# Altium PCB Graviton_11JAN15.PcbDoc (part 7 of 11) (continued)
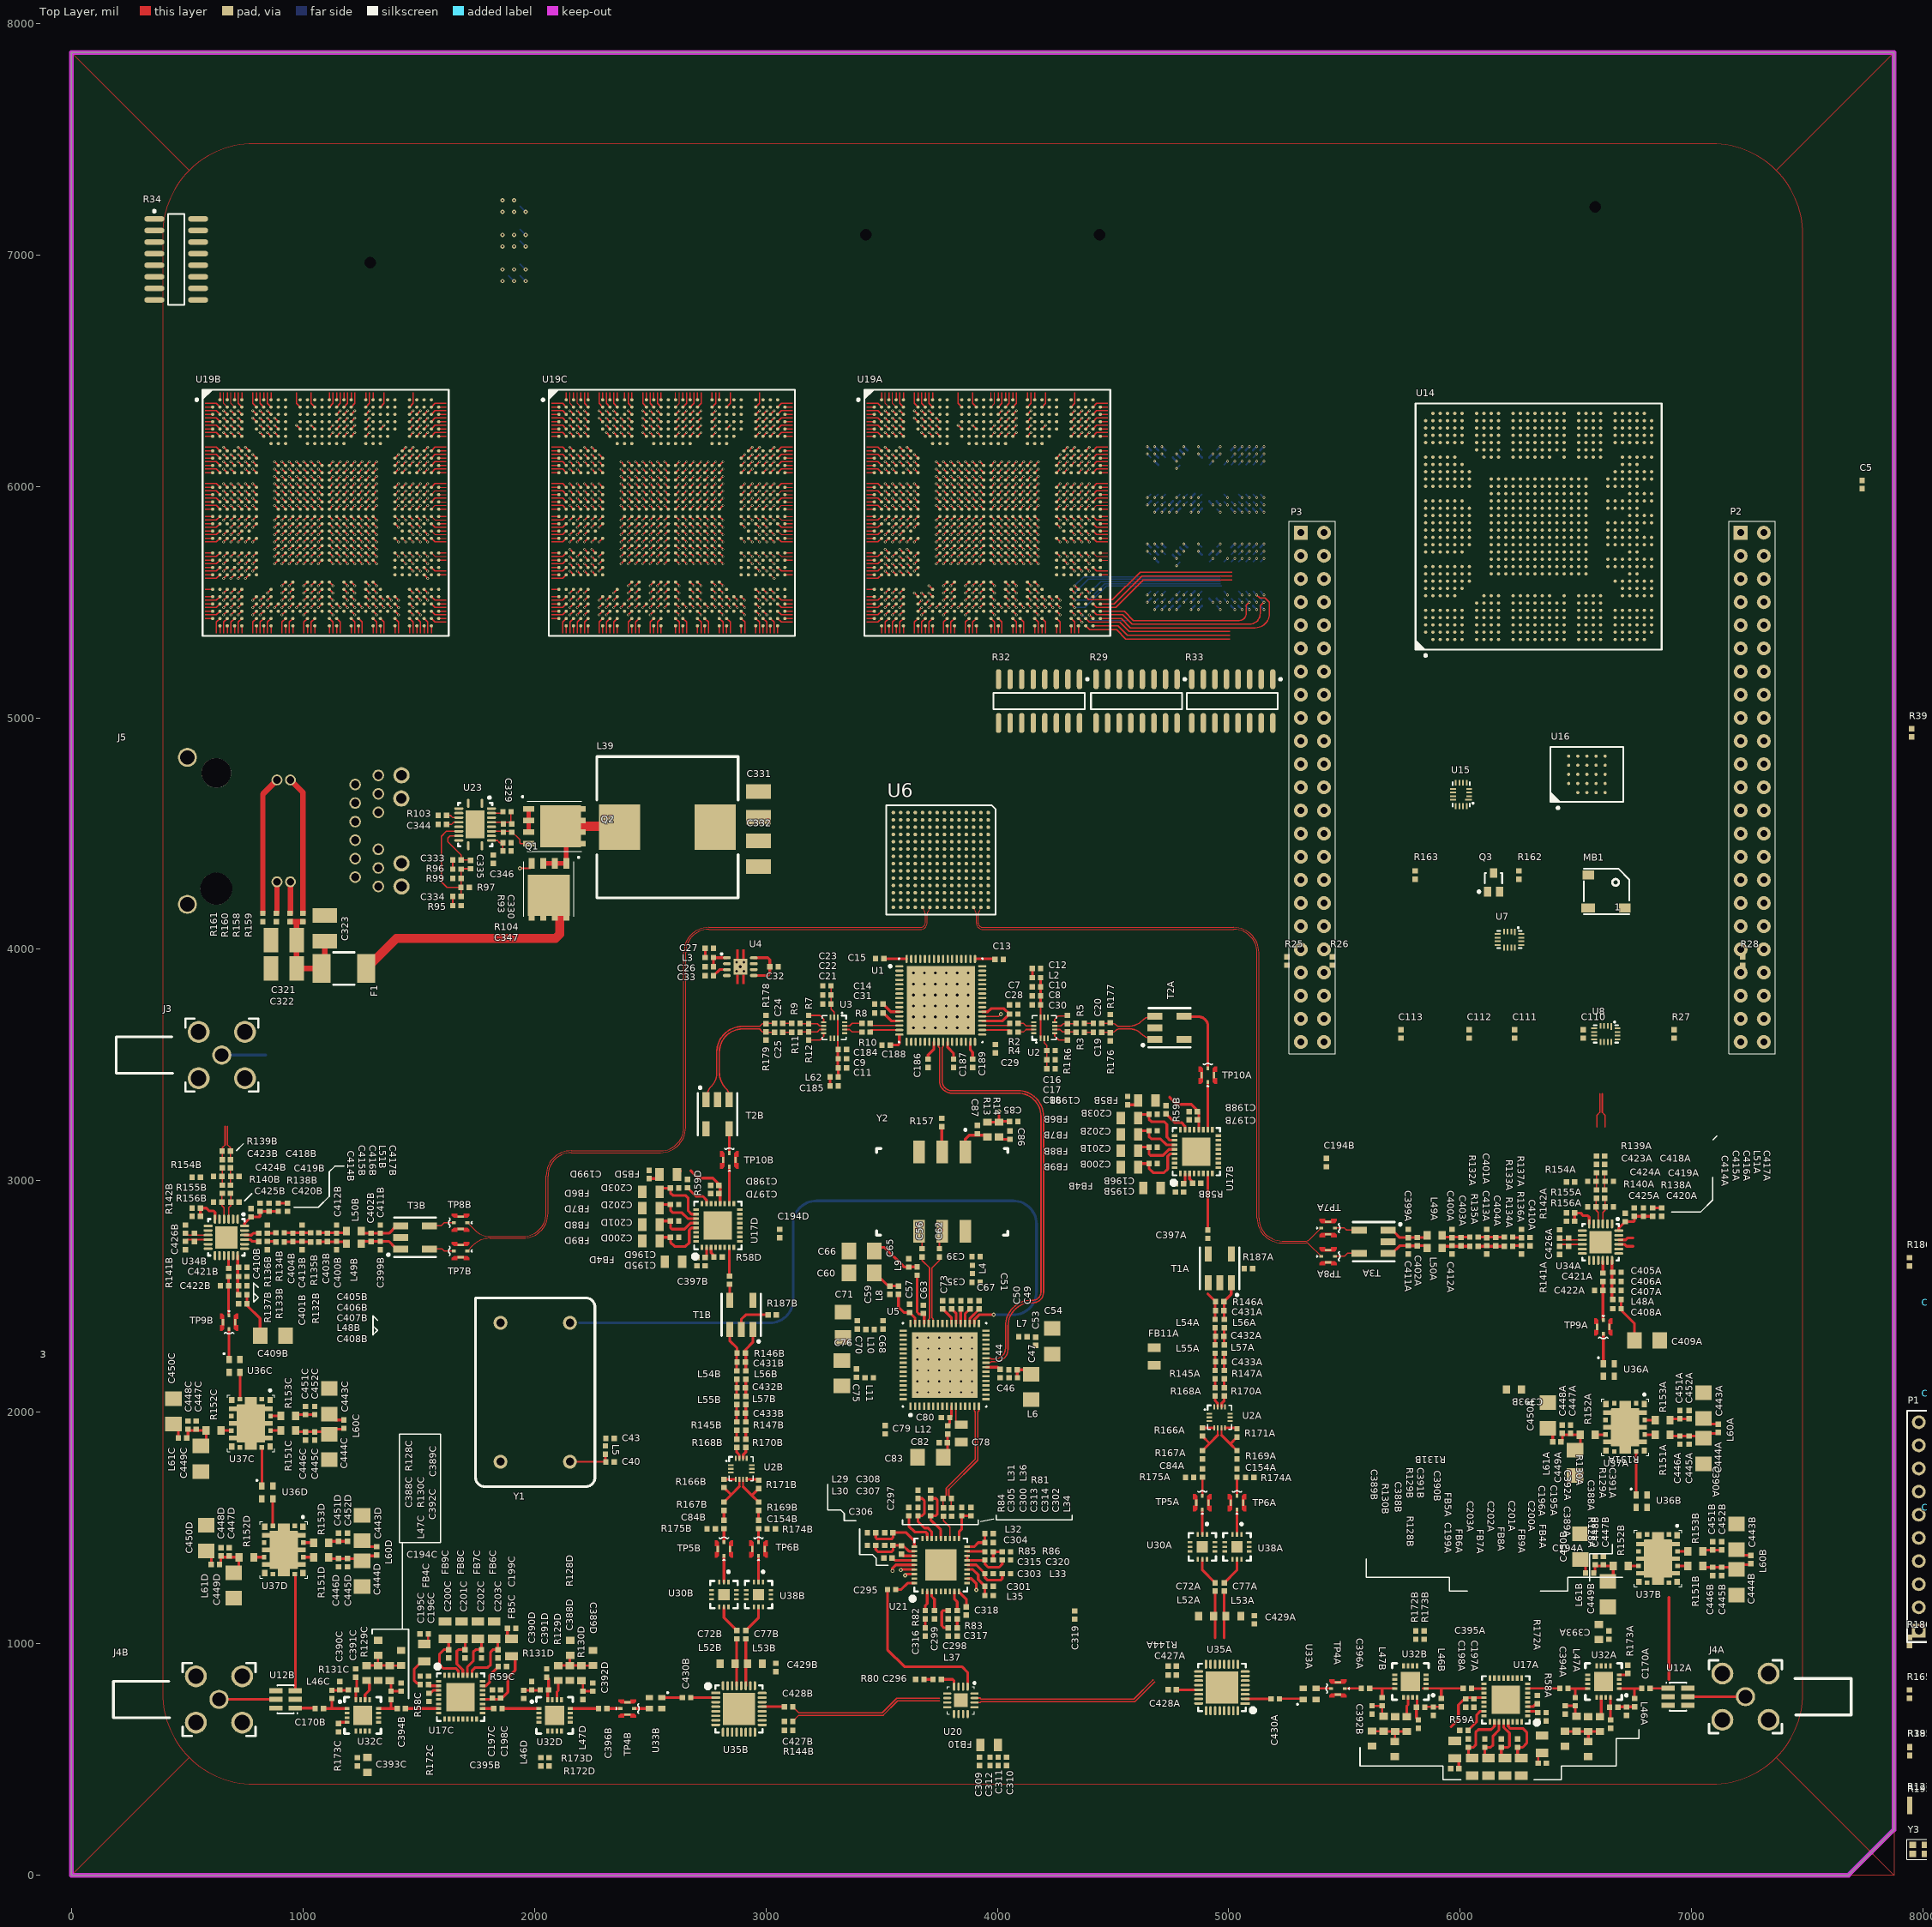
[diagram p0: Top Layer view]
## Nets (pads, with @x,y where several pads share a name; then routed paths per layer and width w, separated by ;. In a path a pad name is that pad's centre, name@x,y a point inside that pad or via, vN(x,y) a via of type N, cw(c..) or ccw(c..) an arc to the next point about the centre after c; other vN are vias at no path point) (continued)
U19A.AH8@3688.98,5523.62 ; U19A.AJ8@3688.98,5492.13 v1(3704.72,5507.87) ; v1(3704.72,5476.38) U19A.AJ9@3720.47,5492.13 ; v1(3704.72,5539.37) U19A.AH9@3720.47,5523.62 ; v1(3704.72,5570.87) U19A.AG9@3720.47,5555.12 ; v1(3704.72,6263.78) U19A.E9@3720.47,6248.03 ; v1(3736.22,5476.38) U19A.AJ10@3751.97,5492.13 ; v1(3736.22,6074.8) U19A.L10@3751.97,6059.06 ; v1(3736.22,6106.3) U19A.K10@3751.97,6090.55 ; v1(3767.72,5444.88) U19A.AK11@3783.46,5460.63 ; v1(3767.72,5476.38) U19A.AJ11@3783.46,5492.13 ; v1(3767.72,5507.87) U19A.AH11@3783.46,5523.62 ; v1(3767.72,5539.37) U19A.AG11@3783.46,5555.12 ; v1(3767.72,5570.87) U19A.AF11@3783.46,5586.61 ; v1(3767.72,5696.85) U19A.AB11@3783.46,5712.6 ; v1(3767.72,5728.35) U19A.AA11@3783.46,5744.09 ; v1(3767.72,5759.84) U19A.Y11@3783.46,5775.59 ; v1(3767.72,5791.34) U19A.W11@3783.46,5807.09 ; v1(3767.72,5822.83) U19A.V11@3783.46,5838.58 ; v1(3767.72,5854.33) U19A.U11@3783.46,5870.08 ; v1(3767.72,5917.32) U19A.T11@3783.46,5901.57 ; v1(3767.72,5948.82) U19A.R11@3783.46,5933.07 ; v1(3767.72,5980.32) U19A.P11@3783.46,5964.57 ; v1(3767.72,6011.81) U19A.N11@3783.46,5996.06 ; v1(3767.72,6043.31) U19A.M11@3783.46,6027.56 ; v1(3767.72,6074.8) U19A.L11@3783.46,6059.06 ; v1(3767.72,6106.3) U19A.K11@3783.46,6090.55 ; v1(3799.21,5476.38) U19A.AJ12@3814.96,5492.13 ; v1(3799.21,5507.87) U19A.AH12@3814.96,5523.62 ; v1(3799.21,5539.37) U19A.AG12@3814.96,5555.12 ; v1(3799.21,5570.87) U19A.AF12@3814.96,5586.61 ; v1(3799.21,5665.35) U19A.AC12@3814.96,5681.1 ; v1(3799.21,5696.85) U19A.AB12@3814.96,5712.6 ; v1(3799.21,6074.8) U19A.L12@3814.96,6059.06 ; v1(3830.71,5476.38) U19A.AJ13@3846.46,5492.13 ; v1(3830.71,5665.35) U19A.AC13@3846.46,5681.1 ; v1(3830.71,5696.85) U19A.AB13@3846.46,5712.6 ; v1(3830.71,5759.84) U19A.Y13@3846.46,5775.59 ; v1(3830.71,5791.34) U19A.W13@3846.46,5807.09 ; v1(3830.71,5822.83) U19A.V13@3846.46,5838.58 ; v1(3830.71,5854.33) U19A.U13@3846.46,5870.08 ; v1(3830.71,5917.32) U19A.T13@3846.46,5901.57 ; v1(3830.71,5948.82) U19A.R13@3846.46,5933.07 ; v1(3830.71,5980.32) U19A.P13@3846.46,5964.57 ; v1(3830.71,6011.81) U19A.N13@3846.46,5996.06 ; v1(3830.71,6074.8) U19A.L13@3846.46,6059.06 ; v1(3830.71,6263.78) U19A.E13@3846.46,6248.03 ; v1(3862.2,5444.88) U19A.AK14@3877.95,5460.63 ; v1(3862.2,5476.38) U19A.AJ14@3877.95,5492.13 ; v1(3862.2,5507.87) U19A.AH14@3877.95,5523.62 ; v1(3862.2,5539.37) U19A.AG14@3877.95,5555.12 ; v1(3862.2,5570.87) U19A.AF14@3877.95,5586.61 ; v1(3862.2,5665.35) U19A.AC14@3877.95,5681.1 ; v1(3862.2,5696.85) U19A.AB14@3877.95,5712.6 ; v1(3862.2,5759.84) U19A.Y14@3877.95,5775.59 ; v1(3862.2,5791.34) U19A.W14@3877.95,5807.09 ; v1(3862.2,5822.83) U19A.V14@3877.95,5838.58 ; v1(3862.2,5854.33) U19A.U14@3877.95,5870.08 ; v1(3862.2,5917.32) U19A.T14@3877.95,5901.57 ; v1(3862.2,5948.82) U19A.R14@3877.95,5933.07 ; v1(3862.2,5980.32) U19A.P14@3877.95,5964.57 ; v1(3862.2,6011.81) U19A.N14@3877.95,5996.06 ; v1(3862.2,6074.8) U19A.L14@3877.95,6059.06 ; v1(3893.7,5476.38) U19A.AJ15@3909.45,5492.13 ; v1(3893.7,5507.87) U19A.AH15@3909.45,5523.62 ; v1(3893.7,5539.37) U19A.AG15@3909.45,5555.12 ; v1(3893.7,5570.87) U19A.AF15@3909.45,5586.61 ; v1(3893.7,5665.35) U19A.AC15@3909.45,5681.1 ; v1(3893.7,5696.85) U19A.AB15@3909.45,5712.6 ; v1(3893.7,5759.84) U19A.Y15@3909.45,5775.59 ; v1(3893.7,5791.34) U19A.W15@3909.45,5807.09 ; v1(3893.7,5822.83) U19A.V15@3909.45,5838.58 ; v1(3893.7,5854.33) U19A.U15@3909.45,5870.08 ; v1(3893.7,5917.32) U19A.T15@3909.45,5901.57 ; v1(3893.7,5948.82) U19A.R15@3909.45,5933.07 ; v1(3893.7,5980.32) U19A.P15@3909.45,5964.57 ; v1(3893.7,6011.81) U19A.N15@3909.45,5996.06 ; v1(3893.7,6074.8) U19A.L15@3909.45,6059.06 ; v1(3893.7,6263.78) U19A.E15@3909.45,6248.03 ; v1(3925.2,5476.38) U19A.AJ16@3940.94,5492.13 ; v1(3925.2,5507.87) U19A.AH16@3940.94,5523.62 ; v1(3925.2,5539.37) U19A.AG16@3940.94,5555.12 ; v1(3925.2,5570.87) U19A.AF16@3940.94,5586.61 ; v1(3925.2,5665.35) U19A.AC16@3940.94,5681.1 ; v1(3925.2,5696.85) U19A.AB16@3940.94,5712.6 ; v1(3925.2,5759.84) U19A.Y16@3940.94,5775.59 ; v1(3925.2,5791.34) U19A.W16@3940.94,5807.09 ; v1(3925.2,5822.83) U19A.V16@3940.94,5838.58 ; v1(3925.2,5854.33) U19A.U16@3940.94,5870.08 ; v1(3925.2,5917.32) U19A.T16@3940.94,5901.57 ; v1(3925.2,5948.82) U19A.R16@3940.94,5933.07 ; v1(3925.2,5980.32) U19A.P16@3940.94,5964.57 ; v1(3925.2,6011.81) U19A.N16@3940.94,5996.06 ; v1(3925.2,6074.8) U19A.L16@3940.94,6059.06 ; U19A.AK17@3972.44,5460.63 v1(3988.19,5444.88) ; U19A.AJ17@3972.44,5492.13 v1(3988.19,5476.38) ; U19A.AH17@3972.44,5523.62 v1(3988.19,5507.87) ; U19A.AG17@3972.44,5555.12 v1(3988.19,5539.37) ; U19A.AF17@3972.44,5586.61 v1(3988.19,5570.87) ; U19A.AC17@3972.44,5681.1 v1(3988.19,5665.35) ; U19A.AB17@3972.44,5712.6 v1(3988.19,5696.85) ; U19A.Y17@3972.44,5775.59 v1(3988.19,5759.84) ; U19A.W17@3972.44,5807.09 v1(3988.19,5791.34) ; U19A.V17@3972.44,5838.58 v1(3988.19,5822.83) ; U19A.U17@3972.44,5870.08 v1(3988.19,5854.33) ; U19A.T17@3972.44,5901.57 v1(3988.19,5917.32) ; U19A.R17@3972.44,5933.07 v1(3988.19,5948.82) ; U19A.P17@3972.44,5964.57 v1(3988.19,5980.32) ; U19A.N17@3972.44,5996.06 v1(3988.19,6011.81) ; U19A.L17@3972.44,6059.06 v1(3988.19,6074.8) ; U19A.AJ18@4003.94,5492.13 v1(4019.68,5476.38) ; U19A.AC18@4003.94,5681.1 v1(4019.68,5665.35) ; U19A.AB18@4003.94,5712.6 v1(4019.68,5696.85) ; U19A.Y18@4003.94,5775.59 v1(4019.68,5759.84) ; U19A.W18@4003.94,5807.09 v1(4019.68,5791.34) ; U19A.V18@4003.94,5838.58 v1(4019.68,5822.83) ; U19A.U18@4003.94,5870.08 v1(4019.68,5854.33) ; U19A.T18@4003.94,5901.57 v1(4019.68,5917.32) ; U19A.R18@4003.94,5933.07 v1(4019.68,5948.82) ; U19A.P18@4003.94,5964.57 v1(4019.68,5980.32) ; U19A.N18@4003.94,5996.06 v1(4019.68,6011.81) ; U19A.L18@4003.94,6059.06 v1(4019.68,6074.8) ; U19A.E18@4003.94,6248.03 v1(4019.68,6263.78) ; U19A.AJ19@4035.43,5492.13 v1(4051.18,5476.38) ; U19A.AH19@4035.43,5523.62 v1(4051.18,5507.87) ; U19A.AG19@4035.43,5555.12 v1(4051.18,5539.37) ; U19A.AF19@4035.43,5586.61 v1(4051.18,5570.87) ; U19A.AC19@4035.43,5681.1 v1(4051.18,5665.35) ; U19A.AB19@4035.43,5712.6 v1(4051.18,5696.85) ; U19A.Y19@4035.43,5775.59 v1(4051.18,5759.84) ; U19A.W19@4035.43,5807.09 v1(4051.18,5791.34) ; U19A.V19@4035.43,5838.58 v1(4051.18,5822.83) ; U19A.U19@4035.43,5870.08 v1(4051.18,5854.33) ; U19A.T19@4035.43,5901.57 v1(4051.18,5917.32) ; U19A.R19@4035.43,5933.07 v1(4051.18,5948.82) ; U19A.P19@4035.43,5964.57 v1(4051.18,5980.32) ; U19A.N19@4035.43,5996.06 v1(4051.18,6011.81) ; U19A.L19@4035.43,6059.06 v1(4051.18,6074.8) ; U19A.AK20@4066.93,5460.63 v1(4082.68,5444.88) ; U19A.AJ20@4066.93,5492.13 v1(4082.68,5476.38) ; U19A.AH20@4066.93,5523.62 v1(4082.68,5507.87) ; U19A.AG20@4066.93,5555.12 v1(4082.68,5539.37) ; U19A.AF20@4066.93,5586.61 v1(4082.68,5570.87) ; U19A.AC20@4066.93,5681.1 v1(4082.68,5665.35) ; U19A.AB20@4066.93,5712.6 v1(4082.68,5696.85) ; U19A.Y20@4066.93,5775.59 v1(4082.68,5759.84) ; U19A.W20@4066.93,5807.09 v1(4082.68,5791.34) ; U19A.V20@4066.93,5838.58 v1(4082.68,5822.83) ; U19A.U20@4066.93,5870.08 v1(4082.68,5854.33) ; U19A.T20@4066.93,5901.57 v1(4082.68,5917.32) ; U19A.R20@4066.93,5933.07 v1(4082.68,5948.82) ; U19A.P20@4066.93,5964.57 v1(4082.68,5980.32) ; U19A.N20@4066.93,5996.06 v1(4082.68,6011.81) ; U19A.L20@4066.93,6059.06 v1(4082.68,6074.8) ; U19A.E20@4066.93,6248.03 v1(4082.68,6263.78) ; U19A.AJ21@4098.43,5492.13 v1(4114.17,5476.38) ; U19A.AC21@4098.43,5681.1 v1(4114.17,5665.35) ; U19A.AB21@4098.43,5712.6 v1(4114.17,5696.85) ; U19A.L21@4098.43,6059.06 v1(4114.17,6074.8) ; U19A.AJ22@4129.92,5492.13 v1(4145.67,5476.38) ; U19A.AH22@4129.92,5523.62 v1(4145.67,5507.87) ; U19A.AG22@4129.92,5555.12 v1(4145.67,5539.37) ; U19A.AF22@4129.92,5586.61 v1(4145.67,5570.87) ; U19A.AB22@4129.92,5712.6 v1(4145.67,5696.85) ; U19A.AA22@4129.92,5744.09 v1(4145.67,5728.35) ; U19A.Y22@4129.92,5775.59 v1(4145.67,5759.84) ; U19A.W22@4129.92,5807.09 v1(4145.67,5791.34) ; U19A.V22@4129.92,5838.58 v1(4145.67,5822.83) ; U19A.U22@4129.92,5870.08 v1(4145.67,5854.33) ; U19A.T22@4129.92,5901.57 v1(4145.67,5917.32) ; U19A.R22@4129.92,5933.07 v1(4145.67,5948.82) ; U19A.P22@4129.92,5964.57 v1(4145.67,5980.32) ; U19A.N22@4129.92,5996.06 v1(4145.67,6011.81) ; U19A.M22@4129.92,6027.56 v1(4145.67,6043.31) ; U19A.L22@4129.92,6059.06 v1(4145.67,6074.8) ; U19A.K22@4129.92,6090.55 v1(4145.67,6106.3) ; U19A.AK23@4161.42,5460.63 v1(4177.17,5444.88) ; U19A.AJ23@4161.42,5492.13 v1(4177.17,5476.38) ; U19A.AH23@4161.42,5523.62 v1(4177.17,5507.87) ; U19A.AG23@4161.42,5555.12 v1(4177.17,5539.37) ; U19A.AF23@4161.42,5586.61 v1(4177.17,5570.87) ; U19A.L23@4161.42,6059.06 v1(4177.17,6074.8) ; U19A.K23@4161.42,6090.55 v1(4177.17,6106.3) ; U19A.AJ24@4192.91,5492.13 v1(4208.66,5476.38) ; U19A.AH24@4192.91,5523.62 v1(4208.66,5507.87) ; U19A.E24@4192.91,6248.03 v1(4208.66,6263.78) ; U19A.AJ25@4224.41,5492.13 v1(4240.16,5476.38) ; U19A.AH25@4224.41,5523.62 v1(4240.16,5507.87) ; U19A.AK26@4255.91,5460.63 v1(4271.65,5444.88) ; U19A.AJ26@4255.91,5492.13 v1(4271.65,5476.38) ; U19A.AH26@4255.91,5523.62 v1(4271.65,5507.87) ; U19A.AD28@4318.9,5649.61 v1(4334.65,5633.86) ; U19A.V28@4318.9,5838.58 v1(4334.65,5822.83) ; U19A.R28@4318.9,5933.07 v1(4334.65,5948.82) ; U19A.N28@4318.9,5996.06 v1(4334.65,6011.81) ; U19A.J28@4318.9,6122.05 v1(4334.65,6137.8) ; U19A.E28@4318.9,6248.03 v1(4334.65,6263.78) ; U19A.AL29@4350.39,5429.13 v1(4366.14,5413.39) ; U19A.AH29@4350.39,5523.62 v1(4366.14,5539.37) ; v1(4397.64,5444.88) U19A.AL31@4413.39,5429.13
  Top Layer w11.81: 2661.02,2970.28 2698.23,2933.07 2727.95,2933.07 2743.7,2917.32 2743.7,2901.57 ; 4728.35,3289.17 4765.55,3251.97 4795.28,3251.97 4811.02,3236.22 4811.02,3220.47 ; 6033.66,625.98 6070.87,663.19 6070.87,692.91 6086.61,708.66 6102.36,708.66
  Top Layer w19.68: Q2.3@1975.39,4506.5 Q2.2@1975.39,4556.5 Q2.1@1975.39,4606.5
  other v2: 4679.5,5468.25 4837,5468.25 5026,5468.25 5089,5468.25 5152,5468.25 4742.5,5499.75 4774,5499.75 4837,5499.75 4931.5,5499.75 4679.5,5688.75 4774,5720.25 4805.5,5720.25 4931.5,5720.25 4679.5,5751.75 5026,5751.75 5089,5751.75 5152,5751.75 4679.5,5888.25 4837,5888.25 5026,5888.25 5089,5888.25 5152,5888.25 4742.5,5919.75 4774,5919.75 4837,5919.75 4931.5,5919.75 4679.5,6108.75 4774,6140.25 4805.5,6140.25 4931.5,6140.25 4679.5,6171.75 5026,6171.75 5089,6171.75 5152,6171.75
  other v3: 3637.8,3661.42 3685.04,3661.42 3732.28,3661.42 3779.53,3661.42 3826.77,3661.42 3874.02,3661.42 3637.8,3708.66 3685.04,3708.66 3732.28,3708.66 3779.53,3708.66 3826.77,3708.66 3874.02,3708.66 3637.8,3755.91 3685.04,3755.91 3732.28,3755.91 3779.53,3755.91 3826.77,3755.91 3874.02,3755.91 3637.8,3803.15 3685.04,3803.15 3732.28,3803.15 3779.53,3803.15 3826.77,3803.15 3874.02,3803.15 3637.8,3850.39 3685.04,3850.39 3732.28,3850.39 3779.53,3850.39 3826.77,3850.39 3874.02,3850.39 3637.8,3897.64 3685.04,3897.64 3732.28,3897.64 3779.53,3897.64 3826.77,3897.64 3874.02,3897.64
  other v4: 3654.53,2086.61 3701.77,2086.61 3749.02,2086.61 3796.26,2086.61 3843.5,2086.61 3890.75,2086.61 3654.53,2133.86 3701.77,2133.86 3749.02,2133.86 3796.26,2133.86 3843.5,2133.86 3890.75,2133.86 3654.53,2181.1 3701.77,2181.1 3749.02,2181.1 3796.26,2181.1 3843.5,2181.1 3890.75,2181.1 3654.53,2228.35 3701.77,2228.35 3749.02,2228.35 3796.26,2228.35 3843.5,2228.35 3890.75,2228.35 3654.53,2275.59 3701.77,2275.59 3749.02,2275.59 3796.26,2275.59 3843.5,2275.59 3890.75,2275.59 3654.53,2322.83 3701.77,2322.83 3749.02,2322.83 3796.26,2322.83 3843.5,2322.83 3890.75,2322.83
  other v6: 12125.98,9905.51 12125.98,9937.01 4234.64,10725.1 4431.49,10725.1 4234.64,10756.6 4431.49,10756.6 4218.11,10986.61 4218.11,11018.11 4336.22,11262.2 4336.22,11293.7
  other v7: 2874.02,3905.51 2905.51,3905.51 2889.76,3925.2 2874.02,3944.88 2905.51,3944.88
  other v8: 4109.84,11218.9 4168.9,11218.9 4139.37,11238.58 4109.84,11258.27 4168.9,11258.27
GNDA_ADC: P3.34
GPIO6.D0_1: U19A.AB4 | length 22.3
  Top Layer w5: v1(3547.24,5696.85) U19A.AB4@3562.99,5712.6
GPIO6.D0_2: U19B.AB4 | length 22.3
  Top Layer w5: v1(688.98,5696.85) U19B.AB4@704.72,5712.6
GPIO6.D0_3: U19C.AB4 | length 22.3
  Top Layer w5: v1(2185.04,5696.85) U19C.AB4@2200.79,5712.6
GPIO6.D1_1: U19A.AC5 | length 22.3
  Top Layer w5: v1(3578.74,5696.85) U19A.AC5@3594.49,5681.1
GPIO6.D1_2: U19B.AC5 | length 22.3
  Top Layer w5: v1(720.47,5665.35) U19B.AC5@736.22,5681.1
GPIO6.D1_3: U19C.AC5 | length 22.3
  Top Layer w5: v1(2216.54,5696.85) U19C.AC5@2232.28,5681.1
GPIO6.D2_1: U19A.AD4 | length 22.3
  Top Layer w5: v1(3547.24,5665.35) U19A.AD4@3562.99,5649.61
GPIO6.D2_2: U19B.AD4 | length 22.3
  Top Layer w5: v1(688.98,5633.86) U19B.AD4@704.72,5649.61
GPIO6.D2_3: U19C.AD4 | length 22.3
  Top Layer w5: v1(2185.04,5665.35) U19C.AD4@2200.79,5649.61
GPIO6.D3_1: U19A.W2 | length 70.1
  Top Layer w4.72: 3436.42,5791.34 3484.25,5791.34 U19A.W2@3500,5807.09
GPIO6.D3_2: U19B.W2 | length 70.1
  Top Layer w4.72: 578.15,5791.34 625.98,5791.34 U19B.W2@641.73,5807.09
GPIO6.D3_3: U19C.W2 | length 70.1
  Top Layer w4.72: 2074.21,5791.34 2122.05,5791.34 U19C.W2@2137.8,5807.09
GPIO6.D4_1: U19A.Y1 | length 32.1
  Top Layer w4.72: 3436.42,5775.59 U19A.Y1@3468.5,5775.59
GPIO6.D4_2: U19B.Y1 | length 32.1
  Top Layer w4.72: 578.15,5775.59 U19B.Y1@610.24,5775.59
GPIO6.D4_3: U19C.Y1 | length 32.1
  Top Layer w4.72: 2074.21,5775.59 U19C.Y1@2106.3,5775.59
GPIO6.D5_1: U19A.AD3 | length 22.3
  Top Layer w5: v1(3515.75,5665.35) U19A.AD3@3531.5,5649.61
GPIO6.D5_2: U19B.AD3 | length 22.3
  Top Layer w5: v1(657.48,5633.86) U19B.AD3@673.23,5649.61
GPIO6.D5_3: U19C.AD3 | length 22.3
  Top Layer w5: v1(2153.54,5665.35) U19C.AD3@2169.29,5649.61
GPIO6.D6_1: U19A.AE3 | length 22.3
  Top Layer w5: v1(3515.75,5633.86) U19A.AE3@3531.5,5618.11
GPIO6.D6_2: U19B.AE3 | length 22.3
  Top Layer w5: v1(657.48,5602.36) U19B.AE3@673.23,5618.11
GPIO6.D6_3: U19C.AE3 | length 22.3
  Top Layer w5: v1(2153.54,5633.86) U19C.AE3@2169.29,5618.11
GPIO6.D7_1: U19A.AC3 | length 22.3
  Top Layer w5: v1(3515.75,5696.85) U19A.AC3@3531.5,5681.1
GPIO6.D7_2: U19B.AC3 | length 22.3
  Top Layer w5: v1(657.48,5665.35) U19B.AC3@673.23,5681.1
GPIO6.D7_3: U19C.AC3 | length 22.3
  Top Layer w5: v1(2153.54,5696.85) U19C.AC3@2169.29,5681.1
GPIO6.D8_1: U19A.AB2 | length 70.1
  Top Layer w4.72: 3436.42,5696.85 3484.25,5696.85 U19A.AB2@3500,5712.6
GPIO6.D8_2: U19B.AB2 | length 70.1
  Top Layer w4.72: 578.15,5696.85 625.98,5696.85 U19B.AB2@641.73,5712.6
GPIO6.D8_3: U19C.AB2 | length 70.1
  Top Layer w4.72: 2074.21,5696.85 2122.05,5696.85 U19C.AB2@2137.8,5712.6
GPIO6.D9_1: U19A.AC2 | length 70.1
  Top Layer w4.72: 3436.42,5665.35 3484.25,5665.35 U19A.AC2@3500,5681.1
GPIO6.D9_2: U19B.AC2 | length 70.1
  Top Layer w4.72: 578.15,5665.35 625.98,5665.35 U19B.AC2@641.73,5681.1
GPIO6.D9_3: U19C.AC2 | length 70.1
  Top Layer w4.72: 2074.21,5665.35 2122.05,5665.35 U19C.AC2@2137.8,5681.1
GPIO6.D10_1: U19A.AE2 | length 70.1
  Top Layer w4.72: 3436.42,5602.36 3484.25,5602.36 U19A.AE2@3500,5618.11
GPIO6.D10_2: U19B.AE2 | length 70.1
  Top Layer w4.72: 578.15,5602.36 625.98,5602.36 U19B.AE2@641.73,5618.11
GPIO6.D10_3: U19C.AE2 | length 70.1
  Top Layer w4.72: 2074.21,5602.36 2122.05,5602.36 U19C.AE2@2137.8,5618.11
GPIO6.D11_1: U19A.AB1 | length 32.1
  Top Layer w4.72: 3436.42,5712.6 U19A.AB1@3468.5,5712.6
GPIO6.D11_2: U19B.AB1 | length 32.1
  Top Layer w4.72: 578.15,5712.6 U19B.AB1@610.24,5712.6
GPIO6.D11_3: U19C.AB1 | length 32.1
  Top Layer w4.72: 2074.21,5712.6 U19C.AB1@2106.3,5712.6
GPIO6.D12_1: U19A.AC1 | length 32.1
  Top Layer w4.72: 3436.42,5681.1 U19A.AC1@3468.5,5681.1
GPIO6.D12_2: U19B.AC1 | length 32.1
  Top Layer w4.72: 578.15,5681.1 U19B.AC1@610.24,5681.1
GPIO6.D12_3: U19C.AC1 | length 32.1
  Top Layer w4.72: 2074.21,5681.1 U19C.AC1@2106.3,5681.1
GPIO6.D13_1: U19A.AD1 | length 32.1
  Top Layer w4.72: 3436.42,5649.61 U19A.AD1@3468.5,5649.61
GPIO6.D13_2: U19B.AD1 | length 32.1
  Top Layer w4.72: 578.15,5649.61 U19B.AD1@610.24,5649.61
GPIO6.D13_3: U19C.AD1 | length 32.1
  Top Layer w4.72: 2074.21,5649.61 U19C.AD1@2106.3,5649.61
GPIO6.D14_1: U19A.AE1 | length 32.1
  Top Layer w4.72: 3436.42,5618.11 U19A.AE1@3468.5,5618.11
GPIO6.D14_2: U19B.AE1 | length 32.1
  Top Layer w4.72: 578.15,5618.11 U19B.AE1@610.24,5618.11
GPIO6.D14_3: U19C.AE1 | length 32.1
  Top Layer w4.72: 2074.21,5618.11 U19C.AE1@2106.3,5618.11
GPIO8.D0_1: U19A.AG1 | length 32.1
  Top Layer w4.72: 3436.42,5555.12 U19A.AG1@3468.5,5555.12
GPIO8.D0_2: U19B.AG1 U19C.AG1 | length 64.2
  Top Layer w4.72: 578.15,5555.12 U19B.AG1@610.24,5555.12 ; 2074.21,5555.12 U19C.AG1@2106.3,5555.12
GPIO8.D1_1: U19A.AH1 | length 32.1
  Top Layer w4.72: 3436.42,5523.62 U19A.AH1@3468.5,5523.62
GPIO8.D1_2: U19B.AH1 U19C.AH1 | length 64.2
  Top Layer w4.72: 578.15,5523.62 U19B.AH1@610.24,5523.62 ; 2074.21,5523.62 U19C.AH1@2106.3,5523.62
GPIO8.D2_1: U19A.AJ1 | length 32.1
  Top Layer w4.72: 3436.42,5492.13 U19A.AJ1@3468.5,5492.13
GPIO8.D2_2: U19B.AJ1 U19C.AJ1 | length 64.2
  Top Layer w4.72: 578.15,5492.13 U19B.AJ1@610.24,5492.13 ; 2074.21,5492.13 U19C.AJ1@2106.3,5492.13
GPIO8.D3_1: U19A.AK1 | length 32.1
  Top Layer w4.72: 3436.42,5460.63 U19A.AK1@3468.5,5460.63
GPIO8.D3_2: U19B.AK1 U19C.AK1 | length 64.2
  Top Layer w4.72: 578.15,5460.63 U19B.AK1@610.24,5460.63 ; 2074.21,5460.63 U19C.AK1@2106.3,5460.63
GPIO8.D4_1: U19A.AL1 | length 32.1
  Top Layer w4.72: 3436.42,5429.13 U19A.AL1@3468.5,5429.13
GPIO8.D4_2: U19B.AL1 U19C.AL1 | length 64.2
  Top Layer w4.72: 578.15,5429.13 U19B.AL1@610.24,5429.13 ; 2074.21,5429.13 U19C.AL1@2106.3,5429.13
GPIO8.D5_1: U19A.AM2 | length 32.1
  Top Layer w4.72: 3500,5365.55 U19A.AM2@3500,5397.64
GPIO8.D5_2: U19B.AM2 U19C.AM2 | length 64.2
  Top Layer w4.72: 641.73,5365.55 U19B.AM2@641.73,5397.64 ; 2137.8,5365.55 U19C.AM2@2137.8,5397.64
GPIO8.D6_1: U19A.AH3 | length 22.3
  Top Layer w5: v1(3515.75,5507.87) U19A.AH3@3531.5,5523.62
GPIO8.D6_2: U19B.AH3 U19C.AH3 | length 44.5
  Top Layer w5: v1(657.48,5507.87) U19B.AH3@673.23,5523.62 ; v1(2153.54,5507.87) U19C.AH3@2169.29,5523.62
GPIO8.D7_1: U19A.AL3 | length 70.1
  Top Layer w4.72: 3515.75,5365.55 3515.75,5413.39 U19A.AL3@3531.5,5429.13
GPIO8.D7_2: U19B.AL3 U19C.AL3 | length 140.2
  Top Layer w4.72: 657.48,5365.55 657.48,5413.39 U19B.AL3@673.23,5429.13 ; 2153.54,5365.55 2153.54,5413.39 U19C.AL3@2169.29,5429.13
GPMC.S0: J1.252 P2.3 U19A.R3 U19B.R3 U19C.R3 | length 66.8
  Top Layer w5: v1(657.48,5948.82) U19B.R3@673.23,5933.07 ; v1(2153.54,5948.82) U19C.R3@2169.29,5933.07 ; v1(3515.75,5948.82) U19A.R3@3531.5,5933.07
GPMC.S2: J1.255 P2.7 U19A.N1 U19B.N1 U19C.N1 | length 96.3
  Top Layer w4.72: 578.15,5996.06 U19B.N1@610.24,5996.06 ; 2074.21,5996.06 U19C.N1@2106.3,5996.06 ; 3436.42,5996.06 U19A.N1@3468.5,5996.06
GPMC.S3: J1.256 P2.9 U19A.P1 U19B.P1 U19C.P1 | length 96.3
  Top Layer w4.72: 578.15,5964.57 U19B.P1@610.24,5964.57 ; 2074.21,5964.57 U19C.P1@2106.3,5964.57 ; 3436.42,5964.57 U19A.P1@3468.5,5964.57
GPMC.S4: J1.258 P2.11 U19A.U2 U19B.U2 U19C.U2 | length 210.3
  Top Layer w4.72: 578.15,5854.33 625.98,5854.33 U19B.U2@641.73,5870.08 ; 2074.21,5854.33 2122.05,5854.33 U19C.U2@2137.8,5870.08 ; 3436.42,5854.33 3484.25,5854.33 U19A.U2@3500,5870.08
GPMC.S5: J1.259 P2.13 U19A.U3 U19B.U3 U19C.U3 | length 66.8
  Top Layer w5: v1(657.48,5854.33) U19B.U3@673.23,5870.08 ; v1(2153.54,5854.33) U19C.U3@2169.29,5870.08 ; v1(3515.75,5854.33) U19A.U3@3531.5,5870.08
GPMC.S6: J1.262 P2.15 U19A.R1 U19B.R1 U19C.R1 | length 96.3
  Top Layer w4.72: 578.15,5933.07 U19B.R1@610.24,5933.07 ; 2074.21,5933.07 U19C.R1@2106.3,5933.07 ; 3436.42,5933.07 U19A.R1@3468.5,5933.07
GPMC.S7: J1.263 P2.19 U19A.T2 U19B.T2 U19C.T2 | length 210.3
  Top Layer w4.72: 578.15,5917.32 625.98,5917.32 U19B.T2@641.73,5901.57 ; 2074.21,5917.32 2122.05,5917.32 U19C.T2@2137.8,5901.57 ; 3436.42,5917.32 3484.25,5917.32 U19A.T2@3500,5901.57
GPMC.S8: J1.265 P2.21 U19A.W3 U19B.W3 U19C.W3 | length 66.8
  Top Layer w5: v1(657.48,5791.34) U19B.W3@673.23,5807.09 ; v1(2153.54,5791.34) U19C.W3@2169.29,5807.09 ; v1(3515.75,5791.34) U19A.W3@3531.5,5807.09
GPMC.S9: J1.266 P2.23 U19A.Y3 U19B.Y3 U19C.Y3 | length 66.8
  Top Layer w5: v1(657.48,5759.84) U19B.Y3@673.23,5775.59 ; v1(2153.54,5759.84) U19C.Y3@2169.29,5775.59 ; v1(3515.75,5759.84) U19A.Y3@3531.5,5775.59
GPMC.S10: J1.268 P2.25 U19A.T1 U19B.T1 U19C.T1 | length 96.3
  Top Layer w4.72: 578.15,5901.57 U19B.T1@610.24,5901.57 ; 2074.21,5901.57 U19C.T1@2106.3,5901.57 ; 3436.42,5901.57 U19A.T1@3468.5,5901.57
GPMC.S11: J1.269 P2.27 U19A.U1 U19B.U1 U19C.U1 | length 96.3
  Top Layer w4.72: 578.15,5870.08 U19B.U1@610.24,5870.08 ; 2074.21,5870.08 U19C.U1@2106.3,5870.08 ; 3436.42,5870.08 U19A.U1@3468.5,5870.08
GPMC.S12: J1.272 P2.29 U19A.V1 U19B.V1 U19C.V1 | length 96.3
  Top Layer w4.72: 578.15,5838.58 U19B.V1@610.24,5838.58 ; 2074.21,5838.58 U19C.V1@2106.3,5838.58 ; 3436.42,5838.58 U19A.V1@3468.5,5838.58
GPMC.S13: J1.273 P2.31 U19A.W1 U19B.W1 U19C.W1 | length 96.3
  Top Layer w4.72: 578.15,5807.09 U19B.W1@610.24,5807.09 ; 2074.21,5807.09 U19C.W1@2106.3,5807.09 ; 3436.42,5807.09 U19A.W1@3468.5,5807.09
GPMC.S14: J1.275 P2.33 U19A.Y7 U19B.Y7 U19C.Y7 | length 66.8
  Top Layer w5: v1(783.46,5759.84) U19B.Y7@799.21,5775.59 ; v1(2279.53,5759.84) U19C.Y7@2295.28,5775.59 ; v1(3641.73,5759.84) U19A.Y7@3657.48,5775.59
GPMC.S15: J1.276 P2.35 U19A.Y6 U19B.Y6 U19C.Y6 | length 66.8
  Top Layer w5: v1(751.97,5759.84) U19B.Y6@767.72,5775.59 ; v1(2248.03,5759.84) U19C.Y6@2263.78,5775.59 ; v1(3610.24,5759.84) U19A.Y6@3625.98,5775.59
GPMC.S16: J1.278 P2.37 U19A.Y5 U19B.Y5 U19C.Y5 | length 66.8
  Top Layer w5: v1(720.47,5759.84) U19B.Y5@736.22,5775.59 ; v1(2216.54,5759.84) U19C.Y5@2232.28,5775.59 ; v1(3578.74,5759.84) U19A.Y5@3594.49,5775.59
GPMC.S17: J1.279 P2.39 U19A.W5 U19B.W5 U19C.W5 | length 66.8
  Top Layer w5: v1(720.47,5791.34) U19B.W5@736.22,5807.09 ; v1(2216.54,5791.34) U19C.W5@2232.28,5807.09 ; v1(3578.74,5791.34) U19A.W5@3594.49,5807.09
GPMC.S18: J1.202 P2.41 U19A.Y4 U19B.Y4 U19C.Y4 | length 66.8
  Top Layer w5: v1(688.98,5759.84) U19B.Y4@704.72,5775.59 ; v1(2185.04,5759.84) U19C.Y4@2200.79,5775.59 ; v1(3547.24,5759.84) U19A.Y4@3562.99,5775.59
GPMC.S19: J1.203 P2.43 U19A.W4 U19B.W4 U19C.W4 | length 66.8
  Top Layer w5: v1(688.98,5791.34) U19B.W4@704.72,5807.09 ; v1(2185.04,5791.34) U19C.W4@2200.79,5807.09 ; v1(3547.24,5791.34) U19A.W4@3562.99,5807.09
GPMC.S20: J1.205 P2.45 U19A.AB7 U19B.AB7 U19C.AB7 | length 66.8
  Top Layer w5: v1(783.46,5696.85) U19B.AB7@799.21,5712.6 ; v1(2279.53,5696.85) U19C.AB7@2295.28,5712.6 ; v1(3641.73,5696.85) U19A.AB7@3657.48,5712.6
GPMC.S21: J1.206 P2.44 U19A.AC6 U19B.AC6 U19C.AC6 | length 66.8
  Top Layer w5: v1(751.97,5665.35) U19B.AC6@767.72,5681.1 ; v1(2248.03,5696.85) U19C.AC6@2263.78,5681.1 ; v1(3610.24,5696.85) U19A.AC6@3625.98,5681.1
GPMC.S22: J1.208 P2.46 U19A.AB5 U19B.AB5 U19C.AB5 | length 66.8
  Top Layer w5: v1(720.47,5696.85) U19B.AB5@736.22,5712.6 ; v1(2216.54,5728.35) U19C.AB5@2232.28,5712.6 ; v1(3578.74,5728.35) U19A.AB5@3594.49,5712.6
I2C1-SCL-EXT: P3.17
I2C2-SCL-EXT: P3.19
INTER-JTAG.TCK: J1.215 P1.8 R24.1 R72A.2 R72B.2 R72C.2 U15.4 U19A.AK5 U19B.AK5 U19C.AK5 | length 66.8
  Top Layer w5: v1(720.47,5444.88) U19B.AK5@736.22,5460.63 ; v1(2216.54,5444.88) U19C.AK5@2232.28,5460.63 ; v1(3578.74,5444.88) U19A.AK5@3594.49,5460.63
INTER-JTAG.TDI: J1.212 R71A.1 R165.1 U19A.AG5 | length 22.3
  Top Layer w5: v1(3578.74,5539.37) U19A.AG5@3594.49,5555.12
INTER-JTAG.TDO: J1.216 P1.2 R30.1 R165.2
INTER-JTAG.TMS: J1.213 P1.6 R68A.1 R68B.1 R68C.1 R164.1 U15.3 U19A.AM5 U19B.AM5 U19C.AM5 | length 96.3
  Top Layer w4.72: 736.22,5365.55 U19B.AM5@736.22,5397.64 ; 2232.28,5365.55 U19C.AM5@2232.28,5397.64 ; 3594.49,5365.55 U19A.AM5@3594.49,5397.64
IOUTA_N: R19.2 TP8A.C U6.C14 | length 2864.4
  Top Layer w2.99: U6.C14@3897.64,4181.1 ccw(c3920.26,4181.1) 3904.26,4165.11 cw(c3891.89,4152.73) 3909.39,4152.73 3909.39,4114.17 ccw(c3937.07,4114.17) 3937.07,4086.5 5022.05,4086.5 cw(c5022.05,3986.5) 5122.05,3986.5 5122.05,2840.16 ccw(c5230.04,2840.16) 5230.04,2732.17 5334.65,2732.17 cw(c5334.65,2715.25) 5346.6,2727.22 ; 5346.61,2727.21 TP8A.C@5399.61,2674.21
IOUTA_P: R15.1 TP7A.C U6.B14 | length 2850.9
  Top Layer w2.99: U6.B14@3929.13,4181.1 cw(c3906.51,4181.1) 3922.51,4165.11 ccw(c3934.88,4152.73) 3917.38,4152.73 3917.38,4114.17 ccw(c3937.07,4114.17) 3937.07,4094.49 5022.05,4094.49 cw(c5022.05,3986.5) 5130.04,3986.5 5130.04,2840.16 ccw(c5230.04,2840.16) 5230.04,2740.16 5334.65,2740.16 ccw(c5334.65,2761.54) 5349.77,2746.42 TP7A.C@5399.61,2796.26
IOUTB_N: R20.2 U6.E14
IOUTB_P: R16.1 U6.F14
IOUTC_N: R21.2 TP8B.C U6.K14 | length 3235.9
  Top Layer w2.99: TP8B.C@1710.63,2818.9 1740.45,2789.07 ccw(c1811.02,2859.64) 1811.02,2759.84 1951.06,2759.84 ccw(c1951.06,2859.84) 2051.06,2859.84 2051.06,3021.93 cw(c2159.06,3021.93) 2159.06,3129.92 2545.55,3129.92 ccw(c2545.55,3229.92) 2645.55,3229.92 2645.55,3986.5 cw(c2753.54,3986.5) 2753.54,4094.49 3669.23,4094.49 ccw(c3669.23,4114.17) 3688.92,4114.17 3688.92,4152.73 ccw(c3671.41,4152.73) 3683.79,4165.11 cw(c3699.79,4181.1) U6.K14@3677.16,4181.1
IOUTC_P: R17.1 TP7B.C U6.J14 | length 3246.7
  Top Layer w2.99: TP7B.C@1710.63,2696.85 1736.34,2722.56 cw(c1807.05,2651.85) 1807.05,2751.85 1951.06,2751.85 ccw(c1951.06,2859.84) 2059.06,2859.84 2059.06,3021.93 cw(c2159.06,3021.93) 2159.06,3121.93 2545.55,3121.93 ccw(c2545.55,3229.92) 2653.54,3229.92 2653.54,3986.5 cw(c2753.54,3986.5) 2753.54,4086.5 3669.23,4086.5 ccw(c3669.23,4114.17) 3696.91,4114.17 3696.91,4152.73 cw(c3714.41,4152.73) 3702.04,4165.11 ccw(c3686.04,4181.1) U6.J14@3708.66,4181.1
IOUTD_N: R22.2 U6.M14
IOUTD_P: R18.1 U6.N14
JTAG.TDI: P1.3 R100.1 U15.2
LED0: R65.2 U18.14
LED1: R64.2 U18.13
LED2: R63.2
LED3: U18.12
LNA-SHDN_1: C393A.2 R172A.2 U32A.15
LNA-SHDN_2: C393B.2 R172B.2 U32B.15
LNA-SHDN_3: C393C.2 R172C.2 U32C.15
LNA-SHDN_4: C393D.2 R172D.2 U32D.15
LO-OSC_N: C314.2 R81.1 U5.16 | length 495.1
  Top Layer w5.98: C314.2@3801.38,1588.78 R81.1@3801.38,1628.15 3790.51,1639.02 3790.51,1667.85 3915.93,1793.27 3915.93,2002.5 3920.28,2006.85 U5.16@3920.28,2025.59
LO-OSC_P: C313.2 R81.2 U5.15 | length 496
  Top Layer w5.98: C313.2@3765.55,1589.17 R81.2@3765.55,1628.15 3779.53,1642.13 3779.53,1672.4 3904.94,1797.82 3904.94,2002.5 3900.59,2006.85 U5.15@3900.59,2025.59
MCLK: R43.2 R53.1 U16.B2
MDI0_N: J5.10 U18.27
MDI0_P: J5.11 U18.28
MDI1_N: J5.5 U18.23